# KiCad board skean.kicad_pcb (continued)
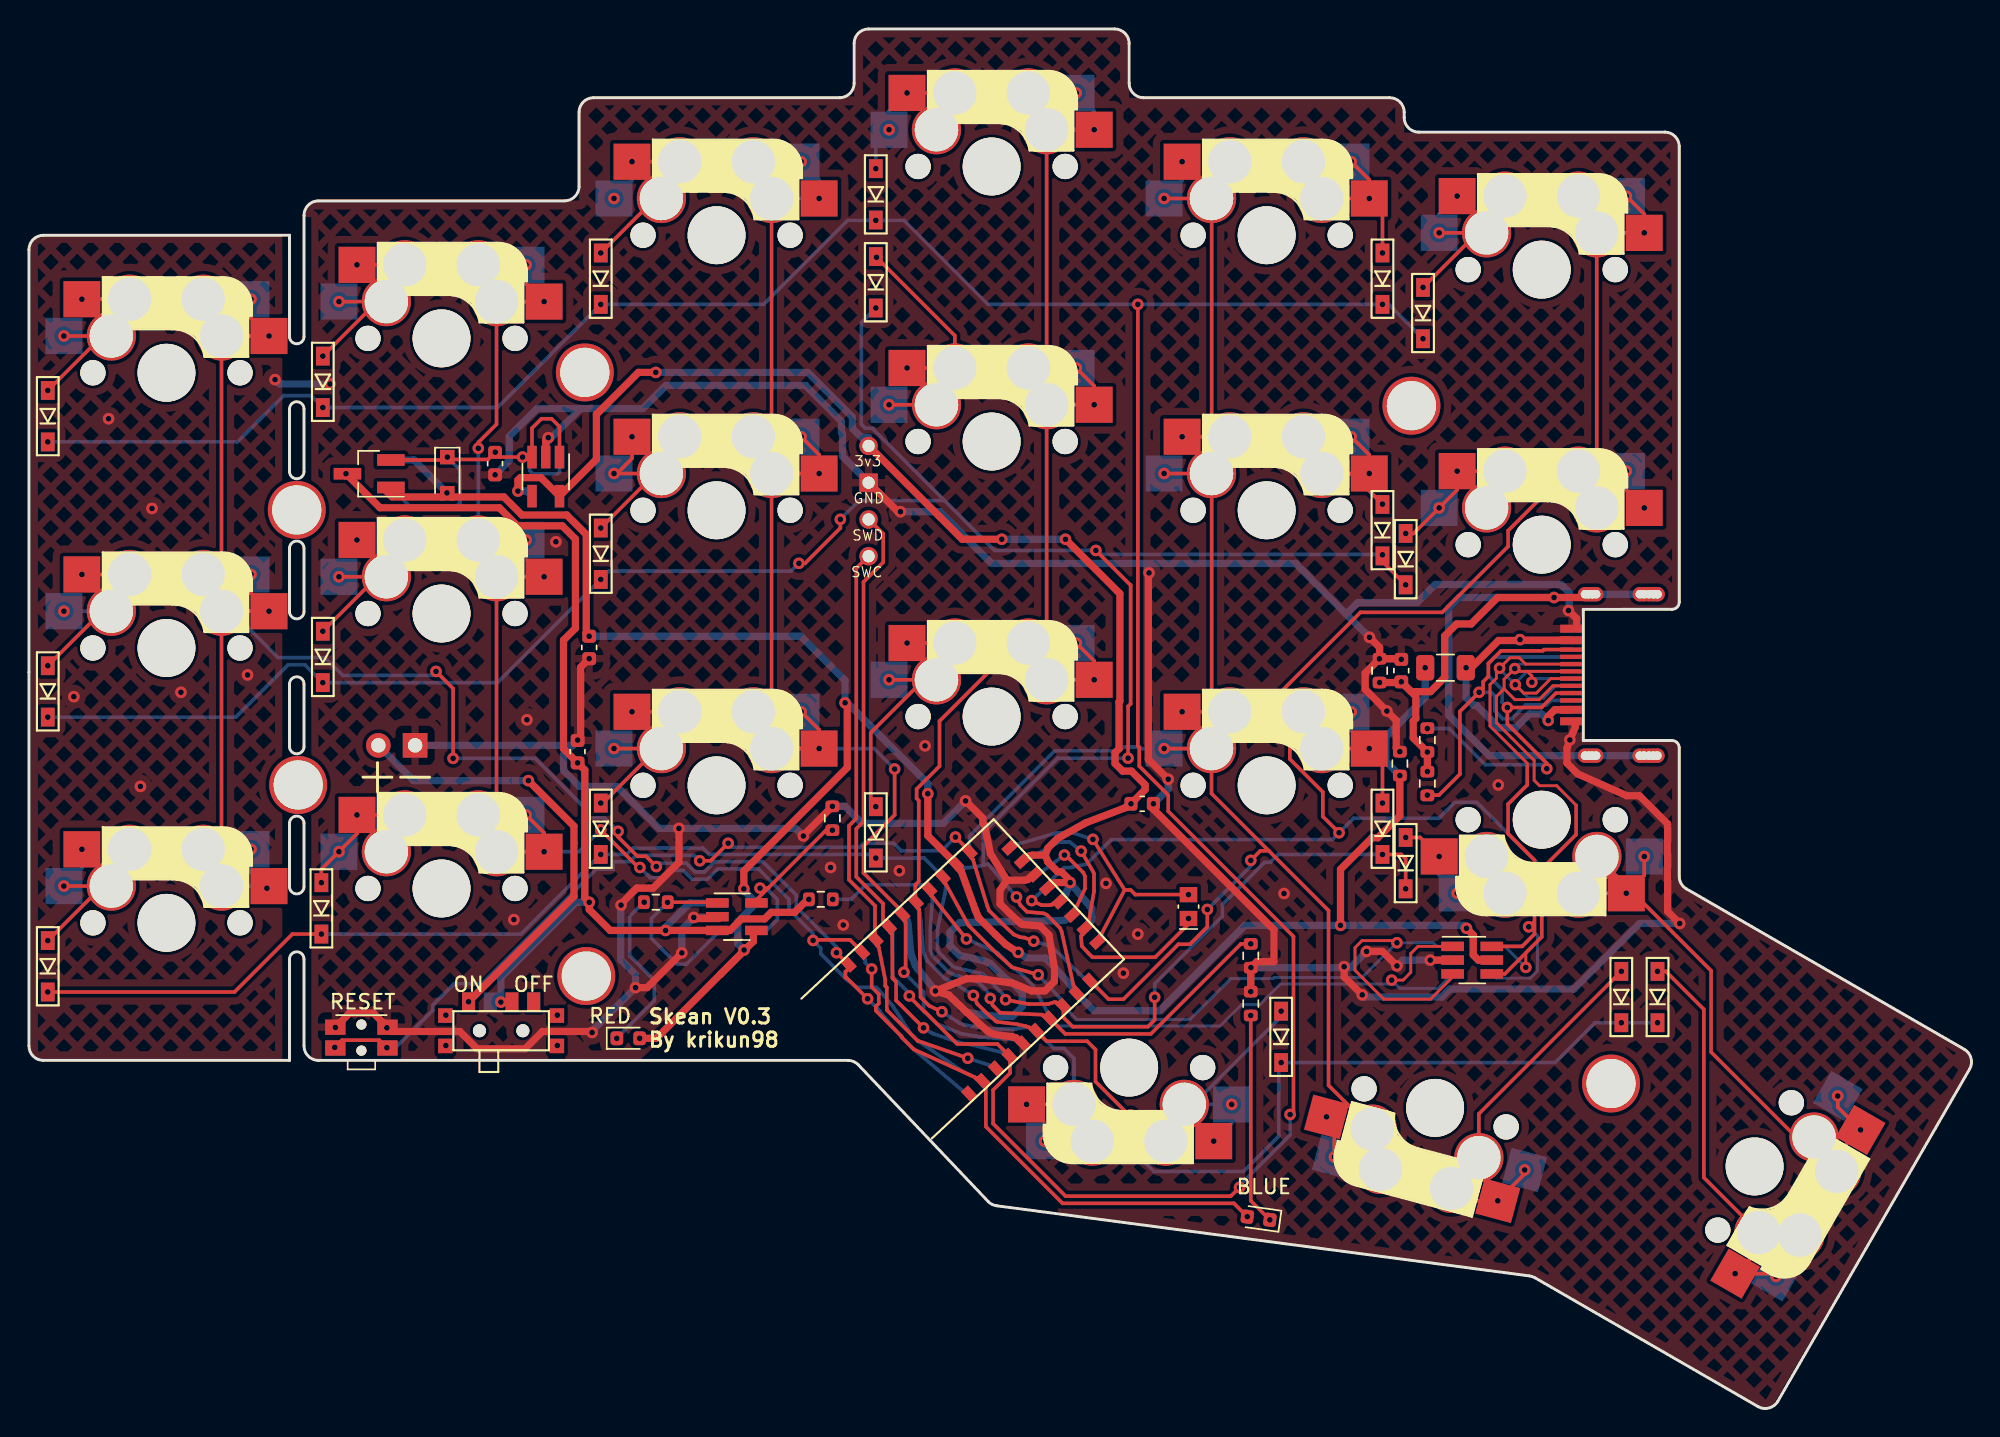
[diagram p0: board, top side]
## Routing (per net, layer and track width the routed paths; a pad name or vN(x,y) marks a point on that pad's centre or on a via; arc(x,y) is an arc through that point)
GND: length 376.5
  Top w0.5: v1(45.1,31.44) 42.7,29.04 v1(41.9,29.04) ; v1(90.85,30.49) 90.85,29.79 v1(92.1,28.54) ; U2.2 35.7,66.86 v1(35.88,67.04) ; U1.5 68.45,25.3 68.28,25.49 68.2,25.56 67.95,25.64 66.71,25.8 66.3,25.98 65.59,26.6 64.76,27.36 63.54,28.53 v1(62.62,28.81) 64.76,29.66 65.72,29.66 67.94,29.36 69.26,28.82 70.19,28.82 70.84,29.47 70.84,30.4 70.46,32.69 69.84,33.3 68.66,33.4 68.52,33.46 67.75,34.17 67.08,34.83 67.08,35.78 67.56,36.46 ; v1(53.5,39.52) 53.5,39.56 v1(55.5,41.57) ; v1(44.9,40.04) 44.9,37.7 43.12,35.92 41.99,35.92 40.9,34.83 v1(40.9,34.74) ; v1(78.7,43.44) 77.32,44.81 77.32,57.64 v1(77.37,57.69) ; 106.92,53.84 106.92,54.52 v1(106.35,55.09) ; 58,63.94 60.02,61.92 v1(60.2,61.92) ; v1(92.4,31.54) 93.5,31.54 v1(94.5,30.54) ; v1(114.03,33.47) 113.2,34.31 113.2,40.34 111.24,42.3 110.37,42.3 106.98,43.82 106.24,44.55 106.24,45.58 v1(106.44,46.15) 106.82,47.07 106.82,47.42 106.97,47.44 ; v1(92.6,53.24) 93.3,52.54 R10.2 ; 45.93,33.82 47.64,33.82 47.76,33.94 ; v1(96.8,30.94) U4.2 ; 67.56,36.46 68.79,36.46 69,36.51 69.26,36.75 U1.21 ; 67.56,36.46 66.42,38.31 66.02,40.27 65.9,40.39 65.9,40.74 v1(64.7,41.94) ; v1(24.72,26.27) 24.98,26.01 29.77,26.01 30.96,24.82 34.27,24.82 35.47,26.01 38.83,26.01 v1(38.9,25.94) ; RSW1.2 22.15,27.29 23.79,27.29 RSW1.2 ; R10.2 v1(93.29,51.75) 92.3,50.77 92.3,49.65 v1(93.81,48.15) 94.45,47.5 94.45,45.59 v1(94.7,45.34) ; R10.2 94.75,51.77 v1(94.8,51.72) ; 38.12,46.12 C4.2 v1(37.9,46.14) 38.11,46.35 38.11,51.18 v1(38.7,51.77) ; v1(84.4,28.77) R3.2 v1(84.41,30.43) 84.83,30.84 86,30.84 86,33.04 77.67,41.37 v1(77.67,41.74)
  Bottom w0.5: 77.25,58.34 77.25,57.82 v1(77.37,57.69) ; 77.25,58.34 66.5,58.34 62.92,61.92 v1(60.2,61.92) ; 77.25,58.34 87.5,58.34 91,54.84 ; v1(94.5,30.54) 94.9,30.94 U4.2 ; v1(40.9,34.74) 40.88,34.72 40.88,30.97 41.9,29.94 v1(41.9,29.04) 38.9,26.04 v1(38.9,25.94) ; v1(114.03,33.47) 111.26,33.47 106.73,28.94 98.15,28.94 97.6,28.39 92.25,28.39 v1(92.1,28.54) ; v1(64.7,41.94) 63.15,40.39 57.55,40.39 56.38,41.57 v1(55.5,41.57) ; v1(92.4,31.54) 91.27,30.42 R3.2 ; v1(20.8,70.74) 17.3,70.74 v1(17,71.04) ; 38.1,69.04 42.4,69.04 44,70.64 53.64,70.64 56.12,68.16 56.12,67.38 56.2,67.3 56.2,65.74 58,63.94 ; 38.1,69.04 35.7,66.64 U2.2 ; 38.1,69.04 35.1,69.04 33.17,67.12 33.17,65.44 v1(32.2,64.47) ; 91,54.84 v1(92.6,53.24) ; 91,54.84 91.8,55.64 95.9,55.64 97.15,56.89 105.85,56.89 106.4,56.34 106.4,55.14 v1(106.35,55.09) 106.92,54.52 106.92,53.83 ; v1(53.5,39.52) 52.97,40.04 43.52,40.04 40.62,42.94 38.03,42.94 36.93,44.04 36.93,45.14 C4.2 37.56,45.78 J4.1 ; v1(45.1,31.44) 45.1,33.06 v1(45.93,33.89) 47.5,33.89 U3.2 ; 106.97,47.43 106.82,47.41 106.82,47.06 v1(106.44,46.15) ; v1(78.7,43.44) 78.7,42.76 v1(77.67,41.74) ; 106.82,53.85 106.97,53.83 ; U1.5 60.45,33.89 60.68,33.64 60.73,33.42 60.91,31.46 60.98,31.21 61.24,30.57 61.37,30.35 61.56,30.16 v1(62.62,28.81) 63.54,28.53 64.76,27.36 65.93,27.15 66.99,27.06 67.94,27.06 68.61,27.73 68.61,28.68 67.94,29.36 67.45,29.67 66.4,30.72 65.99,30.89 64.29,31.27 63.62,31.93 63.62,32.87 64.29,33.54 71.39,33.68 71.6,33.72 71.67,33.79 71.85,33.96 U1.21
  vias: v1(3.1,49.14) v1(5.5,68.34) v1(7.7,42.94) v1(8.5,62.14) v1(10.5,49.44) v1(15.1,50.64) v1(21.17,26.29) v1(33.5,33.74) v1(34.4,47.54) v1(36.4,59.84) v1(55.37,37.34) v1(56.25,33.37) v1(60.12,37.12) v1(61.9,45.74) v1(74.4,36.24) v1(75.6,30.04) v1(76.6,32.74) v1(86.7,35.54) v1(101.5,43.04)
GNDS: length 61.6
  Top w0.5: v1(94.8,50.17) 94.75,50.12 v1(93.3,50.12) ; v1(94.8,50.17) 95.48,49.49 96.81,49.49 97.8,50.48 97.8,53.34 98.62,54.17 99.62,54.17 101.45,55.99 v1(105.35,55.99) 107.27,55.99 J3.S1 ; v1(94.8,50.17) 95.8,49.17 95.8,47.63 95.63,47.46 95.63,46.29 v1(96.6,45.32) v1(96.6,43.97)
  Bottom w0.5: J3.S1 J3.S1 J3.S1 J3.S1 J3.S1 J3.S1 J3.S1 J3.S1 J3.S1 100.87,45.07 98.08,47.86 98.08,55.27 98.8,55.99 105.35,55.99 v1(105.35,55.99) ; J3.S1 J3.S1 J3.S1 J3.S1 J3.S1 J3.S1 J3.S1 J3.S1 J3.S1
VBAT: length 77.1
  Top w0.5: 43.85,32.99 40.15,32.99 38.7,34.44 v1(38.7,34.94) 38.4,35.24 38.4,44.07 v1(37.9,44.57) 36.93,45.54 36.93,53.04 37.75,53.87 37.75,60.03 36.84,60.94 33.74,60.94 32.49,62.19 24.25,62.19 v1(21.9,64.54) ; 43.85,32.99 v1(43.97,32.99) ; 43.85,32.99 48.42,32.99 49.22,33.79 50.82,33.79 51.27,34.24 52.9,34.24 53.8,35.14 v1(53.87,35.14) ; v1(32.6,28.04) 33.35,28.04 SW1.2
  Bottom w0.5: SW1.2 32.58,28.06 v1(32.6,28.04) 32.6,29.75 37.79,34.94 v1(38.7,34.94) ; v1(43.97,32.99) 43.97,33.21 45.66,34.89 U3.3
VBUS: length 168.5
  Top w0.5: v1(38.7,53.32) 38.5,53.52 38.5,60.34 37.15,61.69 34.05,61.69 32.8,62.94 29.15,62.94 D23.2 v1(28.87,63.22) 28.6,62.94 25.09,62.94 24.44,63.59 ; v1(94.7,43.69) 94.7,40.92 93.17,39.39 92.77,39.39 90.6,37.22 v1(90.6,33.34) ; v1(56.38,48.72) 56.53,48.57 56.53,44.24 49.38,37.1 v1(49.38,35.86) ; v1(99.3,33.14) 99.77,32.67 99.77,31.3 100.13,30.94 U4.5 ; v1(62.09,42.44) 62.09,39.54 U1.27 64.16,37.35 64.4,37.1 65.37,34.42 65.58,33.91 65.61,33.86 66.77,32.7 67.48,32.02 v1(68.33,31.47) ; v1(49.4,31.64) 49.4,31.6 47.77,29.97 ; 47.77,29.97 50.04,32.23 50.04,32.99 ; 47.77,29.97 43.35,25.54 v1(42.19,25.54)
  Bottom w0.5: v1(96.45,51.14) 96.45,49.09 93.73,46.37 93.73,44.67 v1(94.7,43.69) ; U4.5 100.13,30.94 99.77,31.3 99.77,32.67 v1(99.3,33.14) 99.1,33.34 v1(90.6,33.34) 84,33.34 78.1,27.44 73.58,27.44 U1.27 72.39,28.76 72.1,29.05 72.04,29.12 70.87,30.41 70.2,31.08 68.93,31.1 v1(68.33,31.47) ; v1(62.09,42.44) 62.09,43.15 56.53,48.72 v1(56.38,48.72) 56.38,50.27 53.32,53.32 v1(38.7,53.32) ; Q2.1 26.6,65.49 v1(28.87,63.22) ; v1(49.38,35.86) 49.38,35.76 U3.4 48.97,33.61 48.97,32.07 v1(49.4,31.64) ; D24.2 v1(42.19,25.54)
(no net):
  vias: v1(28.8,27.14) v1(28.8,25.04) v1(36.5,27.14) v1(36.5,25.04)
/P0.00: length 18.7
  Top w0.25: 75.69,35.79 74.09,32.75 74.05,32.71 73.96,32.62 U1.11 ; 75.69,35.79 v1(73.5,39.29) ; 75.69,35.79 76.1,35.79 76.42,35.47 v1(80.1,35.47)
  Bottom w0.25: U1.11 68.17,38.83 68.29,38.95 70.95,39.73 72.11,39.73 v1(73.5,39.29)
/P0.01: length 20.3
  Top w0.25: 80.1,33.44 77.8,31.14 73.47,31.14 73.17,31.43 72.73,31.91 72.68,32.52 72.68,32.62 72.72,32.66 72.81,32.75 73.09,33.55 73.18,33.63 73.22,33.68 73.57,35.7 73.57,36.91 73.52,37.05 v1(72.68,38.48)
  Bottom w0.25: U1.13 69.03,37.9 69.16,38.02 71.16,39.1 71.9,39.1 v1(72.68,38.48)
  vias: v1(80.1,33.82)
BATTERY_PIN: length 38.7
  Top w0.25: v1(84.4,32.07) 83.72,32.07 77.5,25.84 71.59,25.84 U1.7 70.13,27.04 70.05,27.13 70.01,27.17 67.09,27.31 66.56,27.83 v1(66.41,28.3)
  Bottom w0.25: v1(55.52,35.14) 56.8,35.14 57.8,36.14 61.9,36.14 U1.7 62.3,35.44 62.38,35.35 62.41,35.32 62.41,35.21 62.27,33.17 62.27,31.63 62.45,31.18 63.54,30.1 63.99,29.91 65.61,29.4 66.13,28.88 v1(66.41,28.3)
BLUE_LED: length 37.6
  Top w0.25: v1(84.16,13.22) 83.24,14.14 71.4,14.14 66.1,19.44 66.1,22.36 U1.2 65.66,22.8 65.4,22.8 ; 65.4,22.8 65.49,22.71 ; 65.4,22.8 65.36,22.84 61.12,24.78 60.31,25.59 60.27,25.68 58.5,27.45 58.5,27.74 58.71,27.95 58.71,28.59 58.21,29.08 v1(58.21,30.33)
  Bottom w0.25: U1.2 57.65,31.11 57.77,30.99 57.77,30.77 v1(58.21,30.33)
CC1: length 29.2
  Top w0.25: v1(104.85,44.17) 104.85,44.54 102.12,47.26 v1(102.12,48.39) 104.48,48.39 105.48,49.39 J3.A5
  Bottom w0.25: v1(102.12,48.39) 101.76,48.75 101.76,49.63 100.81,50.58 100.81,51.43 101.27,51.89 J3.A5 ; v1(104.85,44.17) 104.58,44.44 100.61,44.44 98.11,46.94 v1(96.6,46.94)
CC2: length 25.8
  Top w0.25: v1(96.6,42.34) 97.4,42.34 98.85,43.79 98.85,48.12 v1(100.17,49.44) 100.45,49.72 100.45,50.17 100.81,50.53 100.81,51.43 101.69,52.31 104.57,52.31 104.65,52.39 J3.B5
  Bottom w0.25: v1(100.17,49.44) 101,49.44 101.26,49.18 101.26,48.16 101.8,47.62 102.45,47.62 102.9,48.07 102.9,48.09 103.37,48.57 104.82,48.57 105.14,48.88 J3.B5
COL0: length 133.4
  Top w0.25: v1(40.7,39.84) 40.7,39.45 42.03,38.12 42.63,38.12 v1(43.34,37.41) ; v1(29.3,44.88) 29.3,49.7 v1(28.12,50.89) ; K1.2 12.04,75.33 K1.2 ; K1.2 13.3,74.05 13.3,58.84 K7.2 12.04,56.31 K7.2 ; K1.2 v1(16.58,74.06) 15.34,75.3 v1(15.34,76.6) ; v1(55.79,31.46) 56.59,30.66 U1.43 56.61,30.36 56.4,30.14 56.4,29.74 56.46,29.74 v1(57.93,28.27) ; K7.2 13.3,55.03 13.3,39.86 K13.2 12.04,37.33 K13.2 ; K7.2 v1(16.58,55.04) 15.34,56.29 v1(15.34,57.58)
  Bottom w0.25: v1(40.7,39.84) 39.77,40.77 38.65,40.77 38.3,41.12 38.3,41.54 34.96,44.88 v1(29.3,44.88) ; v1(55.79,31.46) 55.79,31.86 53,34.64 53,35.44 50.7,37.74 47.37,37.74 46.66,37.03 46.02,37.03 45.4,37.64 43.57,37.64 v1(43.34,37.41) ; v1(57.93,28.27) 58.79,27.41 58.79,27.37 60.31,25.59 61.12,24.78 64.43,21.97 64.47,21.93 64.56,21.84 U1.43 ; v1(15.34,38.6) 15.34,37 v1(16.44,35.91) 16.29,36.06 K13.2 ; K7.2 14,55.04 17.2,51.84 20.44,51.84 21.67,50.61 27.84,50.61 v1(28.12,50.89)
COL1: length 109.1
  Top w0.25: v1(31.04,66.3) 31.04,66.7 32.3,67.96 32.3,76.42 K2.2 ; K2.2 31.04,77.7 K2.2 ; U1.41 56.72,32.34 54.21,32.34 v1(54.17,32.3) ; v1(42.2,37.34) 42.1,37.34 v1(39.5,39.94) ; v1(34.34,40.97) 35.58,39.73 v1(35.58,38.43) K14.2 32.31,38.62 31.04,39.89 K14.2 32.3,42.23 32.3,57.42 K8.2 ; K8.2 v1(35.58,57.43) ; K8.2 31.04,58.7 K8.2 ; K2.2 v1(35.58,76.43) 34.34,77.68 v1(34.34,78.97)
  Bottom w0.25: K14.2 37.99,38.43 v1(39.5,39.94) ; U1.41 65.49,22.71 65.4,22.8 65.36,22.84 64.48,23.27 61.42,25.36 60.89,25.89 59.69,27.75 58.72,28.87 58.53,29.07 57.21,29.07 56.51,29.57 54.7,31.38 54.7,31.77 v1(54.17,32.3) 54.17,32.77 52.5,34.44 52.5,35.14 50.4,37.24 47.58,37.24 46.86,36.53 45.81,36.53 45.2,37.14 44.17,37.14 43.66,36.63 42.91,36.63 v1(42.2,37.34) ; v1(35.58,57.43) 34.34,58.67 v1(34.34,59.97) ; v1(31.04,66.3) K8.2
COL2: length 98.1
  Top w0.25: v1(60.44,30.1) 60.56,30.22 60.56,33.58 60.44,33.71 U1.35 60.33,34.29 57.65,36.97 57.65,38.82 59.8,40.97 v1(59.8,44.14) ; K9.2 v1(54.58,64.56) 54.58,65.85 v1(53.34,67.1) ; K9.2 51.3,64.55 51.3,49.36 K15.2 50.04,46.83 K15.2 v1(54.58,45.56) 54.58,46.85 v1(53.34,48.1) ; K9.2 50.04,65.83 K9.2 51.3,68.36 51.3,83.55 K3.2 50.04,84.83 K3.2
  Bottom w0.25: U1.35 68.28,25.31 68.19,25.4 68.15,25.44 66.67,25.55 65.61,25.65 65.43,25.69 64.44,25.85 64.42,25.86 62.71,26.54 61.8,27.45 61.8,28.74 v1(60.44,30.1) ; K15.2 58.39,45.56 v1(59.8,44.14) ; K3.2 v1(54.58,83.56) 54.58,84.85 v1(53.34,86.1)
COL3: length 113.1
  Top w0.25: K10.2 v1(73.58,69.31) 73.58,70.6 v1(72.34,71.85) ; K10.2 70.3,69.3 70.3,54.11 K16.2 69.04,51.58 K16.2 v1(73.58,50.31) 73.58,51.6 v1(72.34,52.85) ; K10.2 70.31,69.5 69.04,70.77 K10.2 70.3,73.11 70.3,88.3 K4.2 70.31,88.5 69.04,89.77 ; 69.04,89.77 K4.2 69.04,89.77 ; K20.2 v1(68.91,20.98) ; v1(63.06,27.38) 62.19,27.78 61.59,28.38 61.49,34.45 61.37,34.58 U1.33 61.23,35.01 61.23,36.15 61.47,36.38 61.47,41.97 61.32,42.12 61.32,42.76 62.9,44.34 62.9,47.45 66.2,50.76 v1(66.2,51.44)
  Bottom w0.25: v1(72.34,90.85) 73.58,89.6 v1(73.58,88.31) K4.2 ; v1(63.06,27.38) 64.28,26.59 64.56,26.48 65.55,26.31 65.73,26.27 66.79,26.18 68.14,26.18 68.37,26.24 68.97,26.3 69.08,26.3 69.12,26.27 69.2,26.17 U1.33 70.8,24.84 71.5,24.84 72.19,24.15 K20.2 ; v1(70.16,18.44) 70.16,19.73 v1(68.91,20.98) ; 69.04,51.77 66.53,51.77 v1(66.2,51.44)
COL4: length 141.7
  Top w0.25: K11.1 81.7,68.36 81.7,83.55 K5.1 ; K11.1 82.96,66.02 81.69,64.75 K11.1 ; K11.1 v1(79.66,67.1) ; K11.1 v1(78.41,64.56) ; K11.1 81.7,64.55 81.7,49.36 K17.1 ; U1.10 74.58,28.24 75.61,28.24 79.4,32.04 80.2,32.04 81.4,33.24 v1(81.4,34.44) ; K5.1 81.69,83.75 82.96,85.02 K5.1 ; K5.1 v1(78.41,83.56) ; 85.65,38.49 89.77,34.37 89.77,22.29 K21.2 93.65,18.42 93.65,17.53 93.52,17.4 93.52,17.05 93.37,16.9 K21.2 91.03,16.49 v1(90.18,17.34) 90.18,19.57 v1(89.63,20.12) ; 85.65,38.49 81.69,42.45 K17.1 ; 85.65,38.49 85.06,38.49 v1(84.4,37.83) ; K17.1 82.96,47.02 81.69,45.75 K17.1 ; K17.1 v1(79.66,48.1) ; K17.1 v1(78.41,45.56)
  Bottom w0.25: v1(78.41,83.56) 79.66,84.8 v1(79.66,86.1) ; v1(84.4,37.83) 84.4,37.44 v1(81.4,34.44) ; U1.10 64.97,39.52 70.85,45.4 75.33,45.4 75.6,45.67 76.67,45.67 76.79,45.56 K17.1
COL5: length 162
  Top w0.25: K6.2 108.3,81.17 108.3,65.98 K12.2 ; K6.2 107.04,82.45 K6.2 ; K6.2 v1(111.58,81.18) 111.58,82.48 v1(110.34,83.72) ; U1.17 70.81,34.9 70.68,34.78 70.46,34.74 69.95,34.74 v1(69.27,35.05) ; K18.1 116.2,30.21 116.2,24.59 122.07,18.72 K22.1 123.94,18.09 123.94,16.89 124.48,16.35 K22.1 124.87,17.56 v1(126.53,19.21) 124.95,20.79 v1(124.95,21.56) ; v1(111.58,38.1) 111.58,36.81 v1(110.34,35.56) K18.1 ; K12.2 107.04,63.45 107.04,63.64 ; v1(111.58,62.18) 110.34,63.43 v1(110.34,64.72) K12.2 ; v1(90.5,39.74) 89.38,40.86 89.38,42.55 87.1,44.83 87.1,46.1 85.96,47.24 85.96,48.96 91.98,54.97 97.62,54.97 102.18,59.52 102.18,60.61 105.21,63.64 107.04,63.64 ; 107.04,63.64 K12.2
  Top w0.5: 111.2,36.44 111.24,36.48
  Bottom w0.25: v1(69.27,35.05) 70.01,35.75 70.35,35.94 70.49,36.34 70.58,36.42 71.5,37.33 71.89,37.33 73.06,37.58 73.87,38.39 74.75,39.27 90.02,39.27 v1(90.5,39.74) 91.5,40.74 97.4,40.74 98.5,41.84 100.01,41.84 105.21,36.64 107.04,36.64
DATA+: length 48.8
  Top w0.2: 98.56,31.89 95.95,31.89 95.45,31.39 95.45,30.09 94.92,29.56 v1(94.13,29.56)
  Top w0.25: U1.31 62.3,35.44 62.42,35.32 v1(64.76,32.4)
  Bottom w0.2: U1.31 71.04,26.39 82.29,26.39 83.76,27.87 84.98,27.87 85,27.84 86.45,29.29 93.86,29.29 v1(94.13,29.56) 94.7,28.99 97.35,28.99 U4.1
  Bottom w0.25: U1.31 70.42,27.31 70.34,27.4 70.31,27.44 69.38,29.16 68.42,30.12 67.91,30.45 66.93,31.42 66.81,31.5 v1(64.76,32.4)
DATA-: length 55.5
  Top w0.2: 98.56,29.99 96.81,28.24 93.6,28.24 91.6,30.24 91.6,31.8 92.09,32.29 94.35,32.29 v1(94.5,32.14)
  Top w0.25: U1.29 63.23,36.31 63.31,36.22 63.34,36.18 64.8,33.52 64.93,33.32 66.23,32.01 66.94,31.32 67.91,30.45 v1(69.72,29.93)
  Bottom w0.2: U4.3 97.25,31.89 97,32.14 v1(94.5,32.14) 92.1,29.74 86,29.74 85.93,29.67 83.03,29.67 80.2,26.84 72.39,26.84 U1.29
  Bottom w0.25: U1.29 71.35,28.18 71.23,28.3 v1(69.72,29.93)
nRF_VDD: length 91.4
  Top w0.5: U1.19 70.59,36.05 70.84,36.29 71.07,36.3 v1(71.92,36.3) 71.92,36.45 71.35,37.02 71.06,37.05 70.39,37.73 70.38,37.75 70.21,38.2 ; U1.23 68.85,37.91 69.11,38.15 69.32,38.19 70.21,38.2 ; 70.21,38.2 70.38,38.68 71.06,39.35 73.02,40.44 75.68,41.45 v1(76.12,41.74) 77.1,42.72 77.1,43.06 76.16,44 75.55,44 75.03,44.52 75.03,45.27 75.3,45.54 75.3,48.78 75.36,48.84 75.36,56.26 v1(71.6,60.02) ; 58,66.48 64.47,60.02 v1(67.2,60.02) ; v1(33.78,63.34) 33.78,64.09 33.96,64.27 35.37,64.27 U2.5 39.2,65.54 39.2,68.64 42.1,71.54 v1(43.3,71.54)
  Bottom w0.5: v1(71.6,60.02) v1(67.2,60.02) ; v1(43.3,71.54) 53.8,71.54 56.87,68.47 56.87,67.69 57.51,67.06 58,67.06 58,66.48 ; U1.23 73.08,33.37 73.27,33.54 73.35,33.62 73.42,33.87 73.42,34.49 v1(71.92,36.3) 71.61,35.48 71.54,35.4 71.35,35.23 U1.19 ; U2.5 34.4,63.34 v1(33.78,63.34)
PROG: length 7.4
  Top w0.25: v1(71.53,38.2) 71.89,37.93 72.84,36.98 72.95,36.73 72.95,35.88 72.35,34.6 72.32,34.56 72.22,34.48 U1.15
  Bottom w0.25: v1(71.53,38.2) 70.02,37.09 69.9,36.97 U1.15
RESET: length 65.2
  Top w0.25: v1(24.72,24.89) 24.2,25.41 21.62,25.41 v1(21.12,24.92) ; v1(46.34,37.8) 47.09,37.8 v1(48.3,39.02) ; v1(64,39.44) 64.62,38.82 64.62,38.8 U1.26 65.08,38.04 65.2,37.91 66.22,34.63 66.33,34.36 67.28,33.42 68.03,32.71 68.49,32.52 68.76,32.5 v1(69.41,32.25)
  Bottom w0.25: v1(24.72,24.89) 25.32,24.89 27.89,27.47 27.89,27.84 29.36,29.3 31.27,29.3 39.18,37.22 40.35,37.22 40.35,37.68 40.41,37.74 41.51,37.74 41.94,38.18 45.96,38.18 v1(46.34,37.8) ; U1.26 72.93,29.65 72.85,29.74 70.68,31.84 70.4,31.96 v1(69.41,32.25) ; v1(64,39.44) 63.05,38.49 60.25,38.49 59.73,39.02 57.67,39.02 57.4,38.74 56.9,38.74 56.9,38.74 48.57,38.74 v1(48.3,39.02)
ROW0: length 211
  Top w0.25: v1(87.12,20.28) 87.35,20.51 87.35,32.58 78.7,41.23 78.7,42.34 76.7,44.34 76.7,45.64 76.6,45.74 v1(76.6,76.24) ; v1(83.63,15.24) 83.02,14.64 71.61,14.64 66.6,19.65 66.6,21.97 67.77,23.14 67.77,24.28 U1.4 66.9,25.15 64.12,25.15 61.9,27.37 61.87,27.37 60.81,28.43 v1(60.81,28.47)
  Bottom w0.25: v1(1.3,66.74) 14.4,66.74 17.6,69.94 19.47,69.94 v1(20.3,69.12) 32.37,69.12 v1(39.5,76.24) 50.75,76.24 56.55,82.04 v1(58.5,82.04) ; v1(58.5,82.04) D4.1 ; v1(58.5,82.04) 60.45,82.04 66.25,76.24 v1(93.5,76.24) 93.92,76.24 v1(96.3,73.87) ; U1.4 59.67,32.99 59.67,29.78 60.81,28.63 v1(60.81,28.47) ; v1(83.63,15.24) 83.63,15.37 87.12,18.86 v1(87.12,20.28)
ROW1: length 164.2
  Top w0.25: U1.9 72.28,29.04 72.16,29.17 71.33,32.91 71.23,33.15 70.31,34.08 70.07,34.18 68.94,34.28 68.49,34.73 v1(68.22,35.31) ; v1(75.93,44.9) 75.93,48.47 76.1,48.64 76.1,56.84 v1(73.7,59.24) ; v1(95.1,56.87) 93.5,58.47 v1(93.5,58.94) ; v1(53.19,58.35) 53.61,58.35 56.05,60.79 v1(56.05,61.39)
  Bottom w0.25: v1(93.5,58.94) 93.48,58.97 73.97,58.97 v1(73.7,59.24) 66.7,59.24 63.25,62.69 ; 63.25,62.69 57.35,62.69 v1(56.05,61.39) ; 63.25,62.69 58.26,67.68 57.77,67.68 57.5,67.95 57.5,74.99 v1(58.5,75.99) ; v1(1.3,47.73) 14.29,47.73 17.9,51.34 19.07,51.34 v1(20.3,50.11) 32.37,50.11 v1(39.5,57.24) 40.08,57.82 52.65,57.82 v1(53.19,58.35) ; 65.94,37.5 66.26,37.57 v1(68.22,35.31) ; 65.94,37.5 65.28,37.36 64.67,37.32 64.57,37.32 64.53,37.35 64.44,37.45 U1.9 ; 65.94,37.5 65.93,37.52 65.93,39.76 71.06,44.9 v1(75.93,44.9)
ROW2: length 115.9
  Top w0.25: v1(20.2,32.74) 18.2,32.74 14.2,28.74 v1(1.3,28.74) ; v1(93.5,38.24) 94.8,38.24 95.1,37.94 v1(95.1,35.87) ; v1(67.46,28.21) 69.04,27.91 70.4,27.91 70.83,28.04 70.94,28.04 70.98,28 71.06,27.91 U1.8 71.46,26.98 72.1,26.34 77.29,26.34 77.76,26.81 v1(77.76,28.38)
  Bottom w0.25: v1(20.2,32.74) 34,32.74 v1(39.5,38.24) 41.3,38.24 41.74,38.68 46.56,38.68 46.99,38.24 58.25,38.24 v1(58.5,37.99) 61.84,37.99 U1.8 63.22,36.31 63.31,36.22 63.34,36.18 63.34,36.08 63.27,35.5 62.76,33.08 62.76,31.73 62.87,31.46 63.82,30.52 64.09,30.41 65.82,30.01 65.9,29.98 66.71,29.17 67.24,28.64 v1(67.46,28.21) ; v1(93.5,38.24) 86.3,38.24 85.75,37.7 85.37,37.7 82.44,34.78 82.44,33.98 77.76,29.3 v1(77.76,28.38)
ROW3: length 70.3
  Top w0.25: v1(76.1,20.24) 75.99,20.24 73.68,22.55 73.68,24.77 73.1,25.34 70.3,25.34 U1.6 69.2,26.17 69.12,26.27 69.08,26.3 68.83,26.38 68.24,26.52 66.89,26.68 66.79,26.72 66.04,27.4 65.51,27.92 v1(65.24,28.51)
  Bottom w0.25: v1(112.5,26.62) v1(110,26.62) 108.17,26.62 105.42,23.87 v1(86.5,23.87) 86.35,23.71 86.35,18.79 83.89,16.34 77.7,16.34 76.1,17.94 v1(76.1,20.24) ; v1(65.24,28.51) 64.02,29.29 63.31,29.66 63.24,29.7 62.06,30.88 62.01,30.96 61.8,31.48 61.78,31.57 61.6,33.71 61.53,34.24 61.49,34.45 61.37,34.58 U1.6
SWC: length 41.6
  Top w0.25: U1.39 58.45,32.41 58.45,34.69 56.65,36.49 56.65,40.22 57.15,40.72 57.15,58.01 58,58.86 ; v1(64.85,24.17) 61.42,25.36 61.4,25.36 59.26,27.5 59.26,29.06 59.15,29.16 59.15,29.59 58.7,31.85 58.67,31.89 58.58,31.98 58.47,32.39
  Bottom w0.25: v1(64.85,24.17) 66.29,23.71 66.33,23.67 66.42,23.58 U1.39
SWD: length 44.5
  Top w0.25: v1(61.79,26.26) 59.9,28.16 59.9,29.44 59.65,29.69 59.65,29.8 59.63,32.72 59.6,32.75 59.51,32.84 U1.37 59,33.65 59,34.85 57.15,36.7 57.15,40.02 57.65,40.52 57.65,57.06 59.01,58.42 59.01,60.39 58,61.4
  Bottom w0.25: U1.37 67.35,24.44 67.26,24.53 67.22,24.57 66.7,24.7 65.22,25.06 64.37,25.23 64.23,25.27 62.48,25.85 62.39,25.89 v1(61.79,26.26)
USBN: length 49.5
  Top w0.2: 106.87,41.64 105.53,42.99 104.35,42.99 103.97,43.37 103.97,44.74 101.37,47.34 101.37,49.16 101.9,49.68 ; 103.5,50.89 102.83,50.89 v1(102.64,51.08) 101.9,50.34 101.9,49.68 ; 103.5,50.89 103.81,50.58 v1(103.81,50.14) ; 103.5,50.89 J3.A7 ; 101.9,49.68 102.64,48.94 104.31,48.94 105.27,49.89 J3.B7 ; 103.8,31.84 103.4,31.44 v1(103.4,30.44)
  Top w0.25: 106.87,41.64 106.87,39.62 104.5,37.24 104.5,32.54 101.95,29.99 100.84,29.99
  Bottom w0.2: J3.A7 104.06,50.38 v1(103.81,50.14) ; v1(102.64,51.08) 102.94,51.39 J3.B7 ; U4.4 101.95,31.89 v1(103.4,30.44)
USBP: length 53
  Top w0.2: v1(102.67,49.97) 103.25,49.39 104.12,49.39 105.13,50.39 J3.A6 ; 104,34.14 104,33.64 v1(103.6,33.24) ; 103.5,44.34 103.5,44.54 100.92,47.12 100.92,49.97 101.37,50.42 101.37,50.9 v1(101.59,51.11) 102.31,51.83 102.95,51.83 103.39,51.39 J3.B6
  Top w0.25: 103.5,44.34 103.5,43.04 102.18,41.72 102.18,39.68 104,37.85 104,36.84 104,34.14 104,32.75 103.14,31.89 100.84,31.89
  Bottom w0.2: v1(102.67,49.97) 103.6,49.04 104.63,49.04 105.47,49.89 J3.B6 ; v1(102.67,49.97) 101.59,51.05 v1(101.59,51.11) ; v1(102.67,49.97) 102.67,50.06 103.5,50.89 J3.A6 ; U4.6 101.35,29.69 103.71,29.69 104.2,30.18 104.2,32.64 v1(103.6,33.24)
Net-(C1-Pad1): length 31.1
  Top w0.25: U2.1 36.65,67.79 36.1,68.34 35.4,68.34 34.75,67.69 U2.1 32.55,65.69 v1(32.21,66.03) 31.71,65.53 29.06,65.53 v1(28.9,65.69) 28.7,65.49 24.44,65.49
  Bottom w0.25: Q2.2 26.27,62.32 29.58,62.32 29.77,62.52 29.77,64.82 v1(28.9,65.69) ; v1(34.1,65.69) U2.1 34.6,65.54 34.6,64.74 34.8,64.54 36.53,64.54 36.65,64.66 U2.1
Net-(D1-Pad2): length 15.6
  Top w0.25: v1(1.3,70.29) 5.06,74.06 K1.1 ; K1.1 6.96,75.33 K1.1 v1(3.66,76.6) ; K1.1 v1(2.41,74.06)
Net-(D2-Pad2): length 15.6
  Top w0.25: K2.1 24.06,76.43 v1(20.3,72.67) ; K2.1 v1(21.41,76.43) ; K2.1 24.69,76.62 25.96,77.89 K2.1 v1(22.66,78.97)
Net-(D3-Pad2): length 15.2
  Top w0.25: v1(39.5,79.79) 43.26,83.56 K3.1 44.96,84.83 K3.1 v1(41.66,86.1)
  Bottom w0.25: v1(41.66,86.1) 41.66,84.8 v1(40.41,83.56)
Net-(D4-Pad2): length 12.5
  Top w0.25: v1(60.66,90.85) K4.1
  Bottom w0.25: K4.1 62.69,89.58 K4.1 ; v1(60.66,90.85) 59.41,89.6 v1(59.41,88.31) 58.5,87.39 v1(58.5,85.62)
Net-(D5-Pad2): length 13.5
  Top w0.25: v1(92.58,83.56) K5.2 88.04,84.83 K5.2 ; v1(92.58,83.56) 93.5,82.64 v1(93.5,79.79) ; v1(92.58,83.56) 92.58,84.85 v1(91.34,86.1)
Net-(D6-Pad2): length 15.3
  Top w0.25: K6.1 101.96,82.64 100.69,81.37 K6.1 ; v1(96.3,77.42) 100.06,81.18 K6.1 ; K6.1 v1(97.41,81.18)
  Bottom w0.25: v1(97.41,81.18) 97.41,82.48 v1(98.66,83.72)
Net-(D7-Pad2): length 15.6
  Top w0.25: v1(1.3,51.28) 5.06,55.04 K7.1 6.96,56.31 K7.1 v1(3.66,57.58)
  Bottom w0.25: K7.1 v1(2.41,55.04)
Net-(D8-Pad2): length 15.7
  Top w0.25: v1(22.66,59.97) 24.69,57.93 K8.1 ; K8.1 24.69,57.62 25.96,58.89 K8.1 ; K8.1 24.06,57.43 v1(20.3,53.66) ; K8.1 v1(21.41,57.43)
Net-(D9-Pad2): length 15.3
  Top w0.25: K9.1 43.69,64.75 44.96,66.02 K9.1 ; K9.1 v1(40.41,64.56) 40.61,64.56 41.66,65.6 v1(41.66,67.1) ; K9.1 43.26,64.56 v1(39.5,60.79)
Net-(D10-Pad2): length 19.6
  Top w0.25: K10.1 63.96,70.58 K10.1 v1(59.41,69.31) ; K10.1 v1(60.66,71.85) ; K10.1 63.96,74.08 v1(58.55,79.49) D10.2
Net-(D11-Pad2): length 14.5
  Top w0.25: v1(91.34,67.1) 92.58,65.85 v1(92.58,64.56) K11.2 ; K11.2 89.31,64.75 88.04,66.02 K11.2 ; K11.2 91.39,64.56 v1(93.5,62.44)
Net-(D12-Pad2): length 12.5
  Top w0.25: v1(95.1,60.42) 95.65,60.42 v1(97.41,62.18) 98.66,63.43 v1(98.66,64.72) K12.1 101.96,63.64 100.69,62.37 K12.1
Net-(D13-Pad2): length 15.3
  Top w0.25: v1(1.3,32.29) 5.06,36.06 K13.1 ; K13.1 6.96,37.33 K13.1 ; K13.1 v1(2.41,36.06)
  Bottom w0.25: v1(2.41,36.06) 3.66,37.3 v1(3.66,38.6)
Net-(D14-Pad2): length 12.1
  Top w0.25: K14.1 24.69,38.62 25.96,39.89 K14.1 v1(22.66,40.97) 22.66,39.68 v1(21.41,38.43) 20.2,37.22 v1(20.2,36.29)
Net-(D15-Pad2): length 16.5
  Top w0.25: v1(41.66,48.1) K15.1 ; K15.1 44.96,47.02 ; K15.1 44.96,47.02 ; 44.96,47.02 44.96,46.83 K15.1 ; K15.1 v1(40.41,45.56) ; K15.1 43.4,45.56 39.64,41.79 v1(39.5,41.79)
Net-(D16-Pad2): length 20.9
  Top w0.25: v1(60.66,52.85) K16.1 63.96,51.77 62.69,50.5 K16.1 ; K16.1 v1(59.41,50.31) ; K16.1 61.81,50.31 58.15,46.65 58.15,41.89 v1(58.5,41.54)
Net-(D17-Pad2): length 16.8
  Top w0.25: v1(93.5,41.79) 93.5,44.64 v1(92.58,45.56) K17.2 89.31,45.75 88.04,47.02 K17.2 v1(91.34,48.1)
  Bottom w0.25: v1(91.34,48.1) 91.34,46.8 v1(92.58,45.56)
Net-(D18-Pad2): length 12.3
  Top w0.25: v1(95.1,39.42) 96.1,39.42 v1(97.41,38.1) ; v1(98.66,35.56) K18.2 101.96,36.83 K18.2
  Bottom w0.25: v1(98.66,35.56) 97.41,36.81 v1(97.41,38.1)
Net-(D20-Pad2): length 19
  Top w0.25: K20.1 78.54,19.71 K20.1
  Bottom w0.25: v1(81.84,18.44) 83.08,19.68 v1(83.08,20.98) K20.1 80.43,20.98 86.5,27.04 v1(86.5,27.42)
Net-(D21-Pad2): length 27.2
  Top w0.25: K21.1 98.27,15.58 98.42,15.73 ; K21.1 99.13,14.32 v1(101.46,14.32) 103.32,16.17 v1(103.32,16.45) ; K21.1 98.55,15.45 98.55,16.21 99.63,17.3 K21.1 100.16,20.33 v1(110,30.17)
Net-(D22-Pad2): length 30.9
  Top w0.25: K22.2 119.87,12.49 121.4,12.49 121.94,11.95 K22.2 ; K22.2 115.7,15.92 115.7,27.54 113.08,30.17 v1(112.5,30.17) ; K22.2 119.5,10.92 v1(117.86,9.28) 120.49,9.28 v1(120.68,9.09)
Net-(D24-Pad1): length 11.6
  Top w0.25: D24.1 v1(40.61,25.54) ; R7.1 v1(42.5,34.94)
  Bottom w0.25: v1(40.61,25.54) 42.4,27.34 42.4,27.34 43.2,28.14 43.2,29.54 41.5,31.24 41.5,33.97 R7.1
Net-(D25-Pad1): length 14.7
  Top w0.25: v1(84.4,27.12) 84.4,14.32 v1(85.72,13)
Net-(F1-Pad1): length 25.1
  Top w0.5: v1(99.27,51.14) 99.64,51.14 101.52,53.02 102.94,53.02 v1(103,53.08) 103.04,53.04 J3.A4 ; J3.A4 105.4,48.24 104.95,47.79 v1(104.95,47.49)
  Bottom w0.5: J3.A4 103.06,53.02 v1(103,53.08) ; J3.A4 105.4,48.23 104.95,47.78 v1(104.95,47.49) 104.5,47.94 103.65,47.94 102.7,46.99 101.54,46.99 99.99,48.54 99.8,48.54 99.27,49.07 v1(99.27,51.14)
Net-(J4-Pad2): length 31
  Top w0.5: v1(34.5,43.34) 37.65,40.19 37.65,35.35 v1(30.37,28.06)
  Bottom w0.5: v1(34.5,43.34) 26.57,43.34 J4.2
Net-(R7-Pad2): length 12.8
  Top w0.25: R7.2 47.5,34.94 U3.1
  Bottom w0.25: R7.2 v1(44.11,34.93) 43,33.82 43,32.45 44.78,30.67 45.43,30.67 47.55,32.79 U3.1
Net-(R8-Pad1): length 12.8
  Top w0.25: 51.09,35.95 50.04,34.89 ; 51.09,35.95 55.06,39.92 v1(55.5,39.92) ; 51.09,35.95 51.06,35.92 v1(50.5,35.92)
  Bottom w0.25: v1(50.5,35.92) 50.93,35.92 51.7,35.14 51.7,33.74 50.95,32.99 U3.5

## Copper pours and planes (outline as drawn; the poured copper is in the pictures)
GND on Top, Bottom: 76,90.51 95,90.51 95,88.11 114,88.11 114,85.81 114.5,36.64 134.6,24.41 120.2,-0.29 103.8,9.11 66.5,14.11 56.9,24.11 0,24.01 0,81.11 19,81.11 19,83.41 38,83.41 38,90.61 57,90.61 57,95.31 76,95.31

## Text on the board
B.Silkscreen: RED | BLUE | Skean V0.3 / By krikun98
User.Drawings: JLCJLCJLCJLC
F.Silkscreen: RED | BLUE | Skean V0.3 / By krikun98
